# KiCad board VCU_CM5.kicad_pcb (continued)
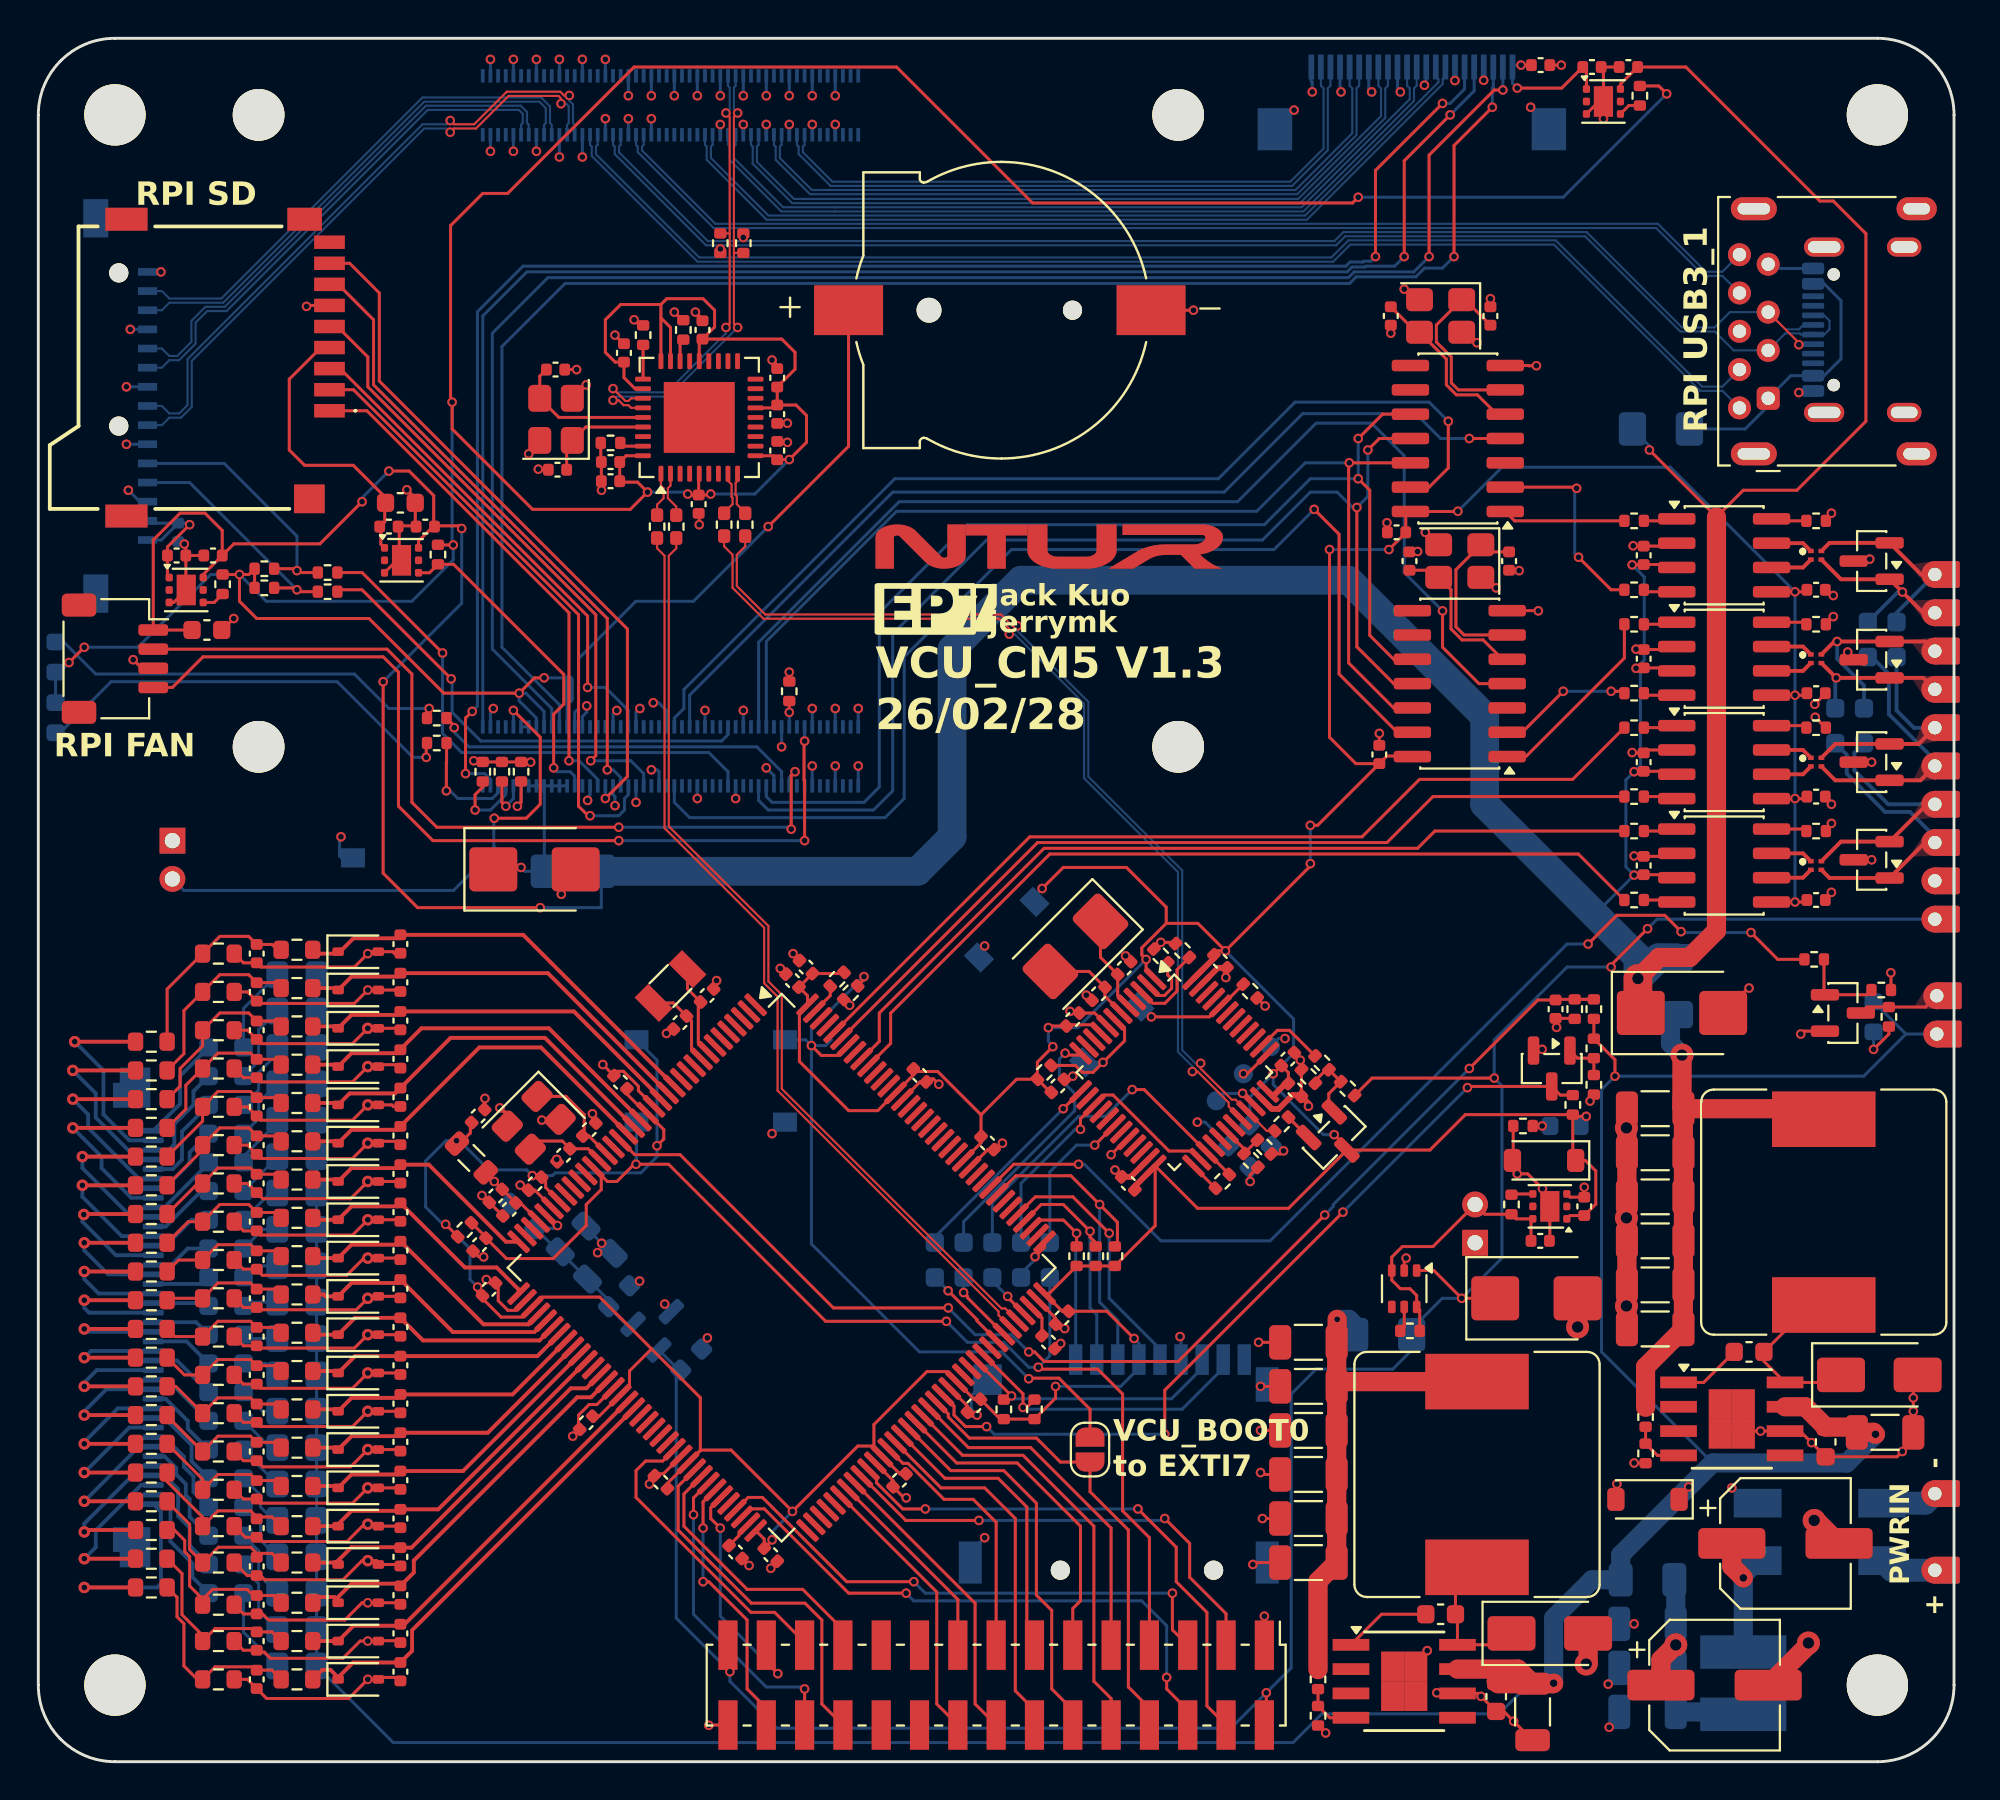
[diagram p0: board, top side]
## Routing (per net, layer and track width the routed paths; a pad name or vN(x,y) marks a point on that pad's centre or on a via; arc(x,y) is an arc through that point) (continued)
/computer/3V3_DISP: length 8
  Top w0.157: U8.1 6.74,61.93 C48.1 6.74,63.44 v1(7.9,64.6)
  Bottom w0.157: 7.82,64.68 v1(7.9,64.6) ; 7.82,64.68 C42.1 6.42,63.8 J6.1 ; 7.82,64.68 5.82,64.68 J6.2
/power/5V_proUPS: length 14.7
  Top w0.157: C7.1 77.92,28.26 U2.6 77.14,28.35 R11.1 75.51,28.59 J2.2 72.8,26.9 71.2,26.9 70.65,26.35 U1.3 70.65,25.15 71.1,24.7 71.6,24.7 71.95,24.35 U1.6 72.11,23.59 R8.1
/power/24V_SENSE: length 64.5
  Top w0.157: R10.1 R9.2 79.23,39.81 C6.1 78.28,39.78 v1(74.7,36.2) ; U12.21 31.13,31.7 33.5,31.7 41.5,23.7 v1(47.5,23.7) ; v1(67.15,28.55) 59.5,20.9 52.51,20.9 52.01,21.4 v1(51.7,21.4)
  Bottom w0.157: v1(51.7,21.4) 50.8,22.3 48.9,22.3 v1(47.5,23.7) ; v1(74.7,36.2) 67.6,29.1 67.6,29 v1(67.15,28.55)
/vcu mcu/VDDA_MCU: length 5.6
  Top w0.157: U12.33 25.1,29.25 25,29.25 C102.1 C103.1 23.67,30.44 23.67,30.75 23.64,30.78 FB1.2
  Bottom w0.157: v1(23.8,30.3) 24.65,29.45 R128.1
GND: length 472.8
  Top w0.157: U19.2 83.96,52.83 C143.2 83.22,52.68 v1(83.2,52.7) ; Y4.2 24.69,33.4 24.69,33.61 24.38,33.93 24.3,33.93 v1(24.09,34.14) ; R140.2 10.71,13.72 C109.2 11.62,13.5 16.4,13.5 v4(17.2,14.3) ; v1(26.1,67.5) 26.13,67.47 C122.2 ; C107.2 35.41,40.51 v1(35.41,40.79) ; Y3.4 75.55,61.85 v1(76.1,61.3) ; v4(17.2,18.3) 16.4,17.5 11.62,17.5 C78.2 10.71,17.72 R123.2 ; v4(17.2,18.3) 18.82,18.3 C79.2 ; v4(17.2,18.3) D29.2 ; C6.2 79.2,38.4 v1(79.25,38.35) ; C6.2 79.2,38.81 ; C6.2 80.17,38.82 R10.2 ; U12.94 48.5,18.57 C88.2 48.7,18.05 48.95,18.05 v1(49,18.1) ; C81.2 18.82,16.3 v4(17.2,16.3) ; U12.120 49.56,31.97 C91.2 49.94,32.02 49.97,32.02 50.25,32.3 v1(50.33,32.3) ; v1(17.2,42.2) 17.65,42.2 D12.2 ; v1(17.2,42.2) 16.5,41.5 11.62,41.5 C30.2 10.71,41.72 R28.2 ; v1(17.2,42.2) 17.3,42.3 18.5,42.3 18.58,42.22 C31.2 ; C44.2 C47.2 81.7,88.38 U7.7 ; v1(75.1,74.1) 74.55,74.65 Y2.4 ; 19.68,64.54 19.68,65.69 19.68,65.7 C49.2 19.68,65.76 19.63,65.8 19.63,66.03 v1(19.24,66.42) ; 19.68,64.54 C43.2 ; 19.68,64.54 18.82,64.54 C46.2 18.84,64.44 18.84,62.86 U6.7 18.72,62.74 U6.3 ; C34.2 53.64,35.72 53.92,35.72 v1(54,35.8) ; v1(17.2,40.3) 18.6,40.3 18.68,40.22 C57.2 ; v1(17.2,40.3) 16.5,39.6 11.52,39.6 C56.2 10.92,40.2 R101.2 ; v1(17.2,40.3) D18.2 ; U10.7 78.29,60.11 v1(78.3,60.1) ; v1(39.1,69.9) 38.58,69.9 C128.2 ; R18.2 10.81,11.72 C20.2 11.5,11.72 11.72,11.5 16.11,11.5 17.01,12.4 v4(17.2,12.4) 17.65,12.4 D7.2 18.88,12.3 18.9,12.32 C21.2 ; D1.2 82.35,14.45 v1(82.4,14.5) ; Y2.2 71.85,76.35 v1(71.3,76.9) ; C25.2 18.82,8.3 D9.2 v1(17.2,8.3) 16.9,8.3 16,7.4 12.02,7.4 11.6,7.82 11.5,7.82 C24.2 10.71,7.72 R22.2 ; 89.44,17.37 88.8,18 ; v1(23.24,26.36) 23.23,26.38 22.97,26.38 C86.2 ; U14.2 85.37,58.08 C120.2 83.42,58.08 v1(83.4,58.1) ; R113.2 10.71,27.72 C68.2 11.62,27.5 16.4,27.5 v4(17.2,28.3) ; C35.2 65.88,36.72 v1(65.88,36.64) 65.88,36.21 R44.2 65.93,36.14 C37.2 ; C48.2 C45.2 ; C48.2 7.7,61.41 7.72,61.39 U8.7 7.07,60.54 U8.3 ; C48.2 7.7,63.51 v1(7.62,63.59) ; v1(31.9,14.5) 31.9,14.86 31.98,14.94 C96.2 32.26,14.94 32.36,15.04 32.63,15.04 U12.61 ; v1(32.79,38.03) 32.93,38.03 C108.2 ; C104.2 23.31,34.07 v1(23.31,34.64) ; R115.2 10.71,25.72 C70.2 11.4,25.7 11.7,25.4 16.1,25.4 17,26.3 v4(17.2,26.3) ; R57.1 v1(39.2,56.9) ; D6.3 v1(95.7,47.1) ; R143.1 96.71,41.19 v1(96.7,41.2) ; v1(29.4,66.4) 29.39,66.41 C130.2 C127.2 29.36,67.9 R151.1 ; v1(4.95,57.55) 5.4,57.1 J4.3 ; v1(56.75,42.08) 57.02,41.81 C32.2 ; C114.2 v1(63.8,17.3) ; R109.2 10.92,32.2 C64.2 11.62,31.5 16.4,31.5 v4(17.2,32.3) ; v1(47.01,35.38) 46.73,35.66 46.51,35.66 C98.2 46.03,35.5 U12.130 ; C23.2 18.9,10.42 18.78,10.3 17.85,10.3 17.75,10.4 ; v1(80.7,30) C8.2 79.96,29.48 U2.3 ; R31.2 59.3,42.79 v1(58.59,42.79) 58.58,42.79 R30.2 ; R103.2 10.92,38.2 C58.2 11.62,37.5 16.4,37.5 v4(17.2,38.3) ; v4(17.2,34.3) D21.2 ; v4(17.2,34.3) 16.4,33.5 11.62,33.5 C62.2 10.92,34.2 R107.2 ; v4(17.2,34.3) 18.45,34.3 18.53,34.22 C63.2 ; U5.8 55.14,39.1 C39.2 54.25,39.18 v1(53.86,39.18) ; v1(94.45,57.95) 94.76,57.64 D35.3 ; v1(27.9,17) C95.2 28.24,17.36 28.2,17.4 28.2,18.1 28.75,18.65 29.16,18.65 30.01,19.5 U12.51 ; v1(34.3,75.7) 34.67,75.33 C129.2 ; v4(17.2,36.3) 17.3,36.4 18.72,36.4 C61.2 ; v4(17.2,36.3) 16.4,35.5 11.62,35.5 C60.2 10.71,35.72 R105.2 ; v4(17.2,36.3) D20.2 ; v1(31.1,75.3) 31.39,75.01 R150.1 ; BT1.N v1(60.3,75.8) ; C117.2 63.9,15 v1(63.8,15.1) ; v4(17.2,38.3) D19.2 ; v4(17.2,38.3) 18.82,38.3 C59.2 ; v4(17.2,26.3) 18.82,26.3 C71.2 ; v4(17.2,26.3) D25.2 ; C7.2 78.9,27.22 U2.7 78.9,29.54 v1(78.52,29.93) 77.74,30.7 v1(77.2,30.7) 77.2,31.15 D3.2 76.99,31.44 R12.1 ; v4(17.2,14.3) D31.2 ; v4(17.2,14.3) 18.82,14.3 C110.2 ; R119.2 10.71,21.72 C74.2 11.52,21.6 16.5,21.6 v4(17.2,22.3) ; J7.6 14.05,76.05 v1(14,76) ; U7.7 81.46,86.7 U7.3 ; U7.7 v1(81.7,85.8) ; v4(17.2,32.3) D22.2 ; v4(17.2,32.3) 17.3,32.4 18.72,32.4 C65.2 ; v4(17.2,28.3) 18.82,28.3 C69.2 ; v4(17.2,28.3) D24.2 ; R152.1 33.62,75.28 v1(33.2,75.7) ; U12.38 24.9,23.57 24.51,23.57 24.01,24.08 24.01,24.87 C94.2 23.56,25.01 v1(23.39,25.18) ; v1(93.6,50) 93.28,50.32 C144.2 ; v1(45.31,13.78) 45.19,13.78 C89.2 44.61,14.68 U12.83 ; R117.2 10.71,23.72 C72.2 11.52,23.6 16.6,23.6 v4(17.2,24.2) ; D36.3 95.5,62.7 v1(95.6,62.8) ; C50.2 v1(70.6,74.6) ; v1(10.2,59.7) 9.6,59.1 C41.2 ; D26.2 17.65,24.2 v4(17.2,24.2) ; v4(17.2,20.3) 18.82,20.3 C77.2 ; v4(17.2,20.3) D28.2 ; v4(17.2,20.3) 16.4,19.5 11.62,19.5 C76.2 10.71,19.72 R121.2 ; C75.2 18.82,22.3 v4(17.2,22.3) ; C54.1 70.42,64.68 v1(70.4,64.7) ; v1(42.35,39.5) 42.28,39.57 42.27,39.57 R130.1 ; v1(78.2,72.9) 77.8,72.9 77.79,72.91 U9.7 ; v1(95.7,52.2) D38.3 ; v1(22.73,52.27) 22.79,52.21 R60.2 R59.2 R58.2 25.69,52.21 v1(25.7,52.2) ; D8.2 17.75,10.4 ; 17.75,10.4 17.65,10.5 v4(17.2,10.5) 16.9,10.5 15.9,9.5 11.82,9.5 11.6,9.72 C22.2 10.91,9.72 R20.2 ; C29.2 18.9,4.32 18.82,4.4 17.85,4.4 D11.2 v1(17.2,4.3) 16.2,3.3 11.92,3.3 C28.2 10.92,4.3 R26.2 ; U12.107 53.1,23.17 C92.2 53.32,22.62 v1(53.58,22.62) ; U17.2 85.37,63.48 C136.2 83.27,63.48 v1(83.25,63.5) ; v1(72,63.2) 71.98,63.18 C51.2 ; C40.2 v1(79.5,88.6) ; v1(93.6,65.2) 93.31,64.91 R158.2 ; C124.2 30.55,74.05 v1(30.1,74.5) ; v1(39.4,42.2) 39.73,41.87 C101.2 ; v1(53.37,21.84) 53.34,21.84 C90.2 ; v1(77.3,62.2) 77.28,62.22 C53.2 ; v1(93.6,49) 93.31,48.71 R17.2 ; v1(27.3,45.3) 27.3,45.85 D17.2 ; C126.2 34.5,65.16 v1(34.5,64.6) ; D4.2 97.88,19.97 v1(97.88,19) v1(97.88,18.3) 97.88,16.78 v1(97.3,16.2) 97.02,15.93 C10.1 v1(92.56,16.66) 91.96,17.26 v1(89.9,17.26) 87.94,17.26 U3.9 ; v1(35,1.9) 35.01,1.91 J9.30 ; v1(63.4,10.3) 63.5,10.4 C119.2 ; U1.2 71.3,26.2 v1(71.4,26.3) ; v1(64,7.6) J9.1 ; R24.2 10.71,5.82 C26.2 11.5,5.72 11.8,5.72 12.12,5.4 15.9,5.4 16.8,6.3 v1(17.2,6.3) D10.2 17.77,6.32 18.8,6.32 C27.2 ; C106.2 27.06,31.34 v1(27.06,31.46) ; v1(93.7,60.9) 93.4,61.2 C137.2 ; v1(38.23,10.1) 38.23,10.13 C97.2 ; v4(17.2,24.2) 17.3,24.3 18.82,24.3 C73.2 ; Q1.2 78.44,37.14 v1(78.5,37.2) ; R149.2 93.31,59.41 v1(93.7,59.8) ; v1(39.1,68.9) 39.05,68.95 C125.2 ; U13.6 75.16,3.56 v1(75.31,3.41) C112.1 76.5,2.62 v1(77.01,2.11) C111.2 ; v1(28.93,33.84) 28.93,33.53 C105.2 ; C55.1 v1(70,53.7) ; Y3.2 73.05,63.55 v1(72.4,64.2) ; v1(54.7,40.03) 54.73,40.03 C33.2 ; U12.31 25.92,29.84 C100.2 25.32,30.11 v1(25.15,30.11) ; C99.2 v1(38.73,41.43) ; R125.2 10.71,15.72 C80.2 11.72,15.4 16.3,15.4 v4(17.2,16.3) ; v4(17.2,22.3) D27.2 ; v1(28.6,71.9) 27.9,71.2 Y6.2 ; v1(93.6,45.4) 93.28,45.08 C19.2 ; C118.2 v1(63.9,12.7) ; v1(67.2,1.5) 67.19,1.5 R146.2 ; U4.2 85.37,47.28 C18.2 83.32,47.28 v1(83.3,47.3) ; R14.2 83.31,15.59 v1(83.3,15.6) ; v1(92.73,55.22) 93.28,55.77 C121.2 ; U12.16 31.33,35.04 31.33,35.27 30.55,36.05 30.27,36.05 C93.2 v1(29.47,36.41) ; C115.2 v1(63.8,19.6) ; v1(92.76,54.54) 93.3,54 R162.2 ; C102.2 C103.2 23.18,29.57 v1(23.16,29.57) ; v1(92,38) 92.15,38.15 Q3.2 ; D5.2 89.25,40.4 v1(89.3,40.4) ; R111.2 10.92,30.2 C66.2 11.72,29.4 16.3,29.4 v4(17.2,30.3) ; v1(64.04,39.46) R32.2 ; v1(26.28,33.51) 27.2,33.51 Y4.4 ; v4(17.2,30.3) 18.82,30.3 C67.2 ; v4(17.2,30.3) D23.2 ; C116.2 v1(63.7,21.9) ; C123.2 v1(28.1,72.7) ; v4(17.2,16.3) D30.2 ; v1(25.6,68.3) 26.18,68.88 Y6.4 ; v1(81,34.5) 81,34.5 81.2,34.7 R6.2 ; v1(56,31.7) 56.83,32.53 U5.20 ; C131.2 38.57,72.93 v1(38.3,73.2) ; U13.9 71.9,5.2 v1(72.5,5.8) ; C87.2 v1(37.1,10.24) ; C52.2 v1(75.8,76.4)
  Top w0.3: v1(66.3,34.23) 66.3,34.37 C37.2 65.86,34.81 65.47,34.81 64.74,34.09 64.39,34.09 U5.35 ; v1(61.99,40.95) 61.99,41.4 C36.2 61.58,41.46 U5.47 ; v1(56.2,30.9) 56.56,30.54 C38.2 57.02,30.54 U5.23
  Top w1: C1.2 92.8,12.6 v2(92.7,12.6) ; v2(92.4,6.2) 92.4,6.1 C5.2 ; v2(80.8,5.1) 80.9,5.2 D33.2 ; v2(80.35,22.7) D34.2 ; C17.2 C16.2
  Bottom w0.157: Module1.197 v1(23.6,84.1) ; J5.10 72.45,87.64 v1(72.36,87.55) ; Module1.191 v1(24.8,84.1) ; v1(38.3,32.8) 38.9,33.4 SW2.1 ; v1(66.5,87.2) 66.5,87.7 66.45,87.75 J5.22 ; J5.MP 78.85,85.45 v1(77.9,86.4) ; SW1.2 15.82,47.2 15.72,47.3 15.72,48.22 v1(15.8,48.3) ; v1(31.4,55) 31.2,54.8 Module1.60 ; Module1.1 v1(42.8,52) ; J24.A1 90.52,77.98 J1.4 ; C85.2 29,27.56 29,27.48 v1(29.41,27.08) 29.48,27.08 C84.2 29.97,26.58 v1(29.2,26.58) ; Module1.71 28.8,50.5 28.67,50.37 v1(28.67,50.2) ; Module1.52 32.8,54.88 32.38,55.3 v1(32.1,55.3) ; Module1.107 v1(41.6,85.5) ; Module1.74 28.4,54.58 28.63,54.81 v1(28.63,55.14) ; C4.2 82.52,2.32 v1(82,1.8) ; v1(32,51.8) 32.3,51.8 32.4,51.7 Module1.53 ; v1(38,51.9) 38.4,51.5 Module1.23 ; Module1.126 v1(38,87) ; v1(49.4,11.7) 48.65,10.95 J10.G2 ; Module1.42 v1(34.8,54.9) ; J6.15 v1(6.4,77.8) ; Module1.22 v1(38.8,53) ; v1(30.2,54.9) 30,54.7 Module1.66 ; v1(32.7,23.9) 32.7,23.84 U11.3 ; Module1.186 v1(26,88.9) ; v1(30.1,49.93) 30.1,50.4 30,50.5 Module1.65 30,51.2 ; J5.19 67.95,87.25 v1(68,87.2) ; v1(63.4,10.3) 63.5,10.4 J10.G3 ; Module1.14 v1(40.4,55) ; v1(88.4,14.3) 89.2,13.5 FL1.4 ; TP17.1 64.74,37.76 v1(65.08,37.76) ; Module1.108 v1(41.6,87) ; J6.3 5.3,65.8 v1(4.7,66.4) ; v1(59.6,22.2) 59.65,22.15 J10.6 ; Module1.180 v1(27.2,88.9) ; v1(71.1,87.2) 70.95,87.35 J5.13 ; Module1.13 v1(40.4,52) ; Module1.98 23.6,54.85 v1(23.75,55) ; Module1.113 v1(40.4,85.5) ; D14.1 60.9,33.4 v1(60.5,33.4) ; Module1.8 v1(41.6,55) ; Module1.32 v1(36.8,54.9) ; v1(81.95,4.05) 82.52,4.62 C3.2 ; v1(91.9,71.5) 91.98,71.58 J24.A12 ; Module1.138 v1(35.6,87) ; v1(83.3,7.2) C2.2 ; Module1.59 v1(31.2,50.1) ; Module1.137 v1(35.6,85.5) ; J10.G1 48.7,19.1 48.7,18.4 v1(49,18.1) ; C82.2 34.62,21.69 34.92,21.99 v1(34.92,22.13) ; Module1.173 v1(28.4,83.8) ; v1(69.6,87.2) 69.45,87.35 J5.16 ; v1(31.39,25.1) 31.11,25.1 C83.2 ; v1(75.45,87.81) 75.45,87.81 J5.4 ; J6.9 v1(4.6,71.8) ; Module1.114 v1(40.4,87) ; Module1.192 v1(24.8,88.9) ; Module1.119 v1(39.2,85.5) ; v1(73.95,87.79) 73.95,87.8 J5.7 ; v1(49.4,42.6) 49.1,42.3 SW4.1 ; Module1.167 v1(29.6,85.8) ; Module1.179 v1(27.2,83.8) ; Module1.43 v1(34.4,50.3) ; Module1.185 v1(26,84.1) ; Module1.162 v1(30.8,87) ; J6.6 v1(4.6,68.8) ; Module1.33 v1(36.4,50.3) ; Module1.132 v1(36.8,87) ; J5.MP v1(65.55,86.25) ; Module1.131 v1(36.8,85.5) ; J6.12 v1(4.8,74.8) ; Module1.150 v1(33.2,87) ; Module1.198 v1(23.6,88.9) ; Module1.174 v1(28.4,88.9) ; Module1.2 v1(42.8,55) ; Module1.155 v1(32,85.8) ; Module1.161 v1(30.8,85.8) ; Module1.120 v1(39.2,87) ; Module1.168 v1(29.6,88.9) ; Module1.156 v1(32,87) ; Module1.144 v1(34.4,87) ; Module1.7 v1(41.6,52) ; Module1.125 v1(38,85.5)
  vias: v1(73,3.6) v2(82.9,33.1) v2(82.9,28.4) v2(82.9,23.8)
/computer/40P.GPIO13: length 58.6
  Top w0.157: v1(73.3,60.1) 73.3,58.2 75.2,56.3 U10.4
  Bottom w0.157: Module1.28 37.6,58.46 44.94,65.8 62.6,65.8 66.7,69.9 69.6,69.9 71.3,68.2 71.3,62.1 v1(73.3,60.1)
/computer/40P.GPIO17: length 53.5
  Top w0.157: v1(73.6,70) 73.6,67.56 72.6,66.56 U9.13
  Bottom w0.157: v1(73.6,70) 72.6,71 65.6,71 61.6,67 44.71,67 33.7,55.99 33.7,55 33.2,54.5 Module1.50
/computer/40P.GPIO18: length 59.8
  Top w0.157: U10.13 70.94,53.76 67.9,56.8 67.9,64.1 v1(66.6,65.4)
  Bottom w0.157: Module1.49 33.2,50.1 34,49.3 44.2,49.3 45.2,50.3 45.2,57.7 50.8,63.3 64.5,63.3 v1(66.6,65.4)
/computer/40P.GPIO19: length 56.8
  Top w0.157: U9.12 v1(68.43,67.83) 68.4,67.8 68.4,57.38 70.75,55.03 U10.12
  Bottom w0.157: 68.4,67.8 v1(68.43,67.83) 66.13,67.83 63.6,65.3 44.8,65.3 38,58.5 Module1.26
/computer/40P.GPIO20: length 60.9
  Top w0.157: v1(69.4,68.5) 70,69.1 U9.11 ; U10.11 70.75,56.3 68.83,58.22 v1(68.83,65.5)
  Bottom w0.157: v1(69.4,68.5) 69.4,66.07 v1(68.83,65.5) 68.6,65.5 67.8,66.3 66.4,66.3 63.9,63.8 49.5,63.8 44.6,58.9 44.6,50.7 43.6,49.7 38.1,49.7 37.6,50.2 Module1.27
/computer/40P.GPIO21: length 60.4
  Top w0.157: v1(68.9,69.1) 70.17,70.37 U9.10 ; v1(68.9,67) 69.5,66.4 69.5,58.82 70.75,57.57 U10.10
  Bottom w0.157: Module1.25 38,50.4 38.3,50.1 43.1,50.1 43.9,50.9 43.9,60 48.5,64.6 64,64.6 66.4,67 v1(68.9,67) v1(68.9,69.1)
/computer/40P.GPIO22: length 50.9
  Top w0.157: U9.4 v1(74.7,69.1)
  Bottom w0.157: Module1.46 34,55.7 44.6,66.3 61.9,66.3 66,70.4 71.9,70.4 73.2,69.1 v1(74.7,69.1)
/computer/40P.ID_SC: length 27.9
  Top w0.157: R51.2 16.9,62.1 v1(21.1,57.9)
  Bottom w0.157: Module1.35 36,51.7 35,52.7 22.1,52.7 21.1,53.7 v1(21.1,57.9)
/computer/40P.ID_SD: length 25.2
  Top w0.157: R50.2 15.71,61.2 16.9,61.2 v1(21.55,56.55)
  Bottom w0.157: Module1.36 36,53.63 35.67,53.3 23.1,53.3 21.6,54.8 21.6,56.5 v1(21.55,56.55)
/computer/compute module/FAN_PWM: length 45.1
  Top w0.157: v1(39.3,48.7) 39.3,51.5 v1(39.5,51.7) ; v1(30.3,48.8) 20.8,48.8 19.5,50.1 19.5,56.8 18.2,58.1 J4.2
  Bottom w0.157: v1(30.3,48.8) 39.2,48.8 v1(39.3,48.7) ; Module1.19 39.2,51.4 v1(39.5,51.7)
/computer/compute module/FAN_TACH: length 48.7
  Top w0.157: J4.4 7,56.1 8.6,57.7 18,57.7 18.8,56.9 18.8,49.9 20.6,48.1 v1(30.3,48.1) ; v1(40,53.3) 39.97,53.27 39.97,51.27 40,51.24 v1(40,48.1)
  Bottom w0.157: v1(40,48.1) v1(30.3,48.1) ; v1(40,53.3) Module1.16
/computer/compute module/MIPI1.C_N: length 27.4
  Bottom w0.111: J6.11 6.45,73.8 6.84,73.41 7.25,73.41 7.99,74.15 7.99,75.25 8.72,75.98 9.73,75.98 19.41,85.66 20.24,86.48 25.18,86.48 25.51,86.15 25.51,85.57 25.6,85.49 Module1.187
/computer/compute module/MIPI1.C_P: length 27
  Bottom w0.111: Module1.189 25.2,85.49 25.29,85.57 25.29,86.05 25.09,86.26 20.33,86.26 19.48,85.41 9.83,75.75 8.81,75.75 8.38,75.32 ; 8.38,75.32 8.21,75.15 8.21,74.05 7.35,73.19 6.84,73.19 6.45,72.8 J6.10
/computer/compute module/MIPI1.D0_N: length 33
  Top w0.111: v1(21.5,85.7) 21.69,85.51 22.75,85.51 24.45,87.21 27.25,87.21 27.44,87.02 v1(27.72,87.02)
  Bottom w0.111: v1(27.72,87.02) 27.72,86.74 27.91,86.55 27.91,85.57 28,85.49 Module1.175 ; v1(21.5,85.7) 21.31,85.51 20.05,85.51 7.79,73.25 7.79,70.85 7.35,70.41 6.84,70.41 6.45,70.8 J6.8
/computer/compute module/MIPI1.D0_P: length 32.6
  Top w0.111: v1(27.28,86.58) 27.28,86.86 27.15,86.99 24.55,86.99 22.85,85.29 21.69,85.29 v1(21.5,85.09)
  Bottom w0.111: v1(27.28,86.58) 27.56,86.58 27.69,86.45 27.69,85.57 27.6,85.49 Module1.177 ; v1(21.5,85.09) 21.31,85.29 20.15,85.29 8.01,73.15 8.01,70.75 7.45,70.19 6.84,70.19 6.45,69.8 J6.7
/computer/compute module/MIPI1.D1_N: length 27.2
  Bottom w0.111: Module1.181 26.8,85.49 26.71,85.57 26.71,86.45 26.25,86.91 20.05,86.91 9.55,76.41 6.84,76.41 6.45,76.8 J6.14
/computer/compute module/MIPI1.D1_P: length 26.9
  Bottom w0.111: J6.13 6.45,75.8 6.84,76.19 9.65,76.19 20.15,86.69 26.15,86.69 26.49,86.35 26.49,85.57 26.4,85.49 Module1.183
/computer/compute module/nACT_LED: length 19.6
  Top w0.157: R49.2 21.71,54.1 v1(21.71,54)
  Bottom w0.157: Module1.21 38.8,51.71 37.51,53 22.47,53 21.71,53.76 v1(21.71,54)
/computer/compute module/nPWR_LED: length 5.9
  Top w0.157: v1(21.3,50.7) 21.3,52.18 21.31,52.19 R48.2
  Bottom w0.157: Module1.95 24,50.6 23.7,50.3 21.9,50.3 21.5,50.7 v1(21.3,50.7)
/computer/compute module/PWR_BTN: length 29.4
  Top w0.157: v1(24.8,54.9) 26.2,53.5 26.2,50 25.47,49.27 v1(23.8,49.27)
  Bottom w0.157: v1(24.8,54.9) Module1.92 ; v1(23.8,49.27) 23.78,49.25 23.78,47.8 24.18,47.4 SW1.1 23.38,47.2 21.68,45.5 7.6,45.5 J3.2
/computer/compute module/RPI_5V_in: length 9.3
  Top w0.157: D17.1 23.85,46.7 v1(25.2,46.7)
  Bottom w0.157: Module1.83 26.41,50.95 F4.2 25.4,46.5 v1(25.2,46.7) ; Module1.87 Module1.77
/computer/MIPI0.C_N: length 39.2
  Bottom w0.111: J5.15 69.95,87.52 70.09,87.39 70.09,85.93 65.77,81.61 39.45,81.61 37.51,83.55 37.51,84.35 37.6,84.43 Module1.127
/computer/MIPI0.C_P: length 40
  Bottom w0.111: Module1.129 37.2,84.43 37.29,84.35 37.29,83.45 39.35,81.39 65.86,81.39 70.31,85.84 70.31,87.39 70.45,87.52 J5.14
/computer/MIPI0.D0_N: length 33.8
  Bottom w0.111: Module1.115 40,84.43 39.91,84.35 39.91,84.05 41.45,82.51 65.35,82.51 67.09,84.25 67.09,87.39 66.95,87.52 J5.21
/computer/MIPI0.D0_P: length 34.5
  Bottom w0.111: J5.20 67.45,87.52 67.31,87.39 67.31,84.15 65.45,82.29 41.35,82.29 39.69,83.95 39.69,84.35 39.6,84.43 Module1.117
/computer/MIPI0.D1_N: length 36.6
  Bottom w0.111: J5.18 68.45,87.52 68.59,87.39 68.59,85.05 65.62,82.08 40.38,82.08 38.71,83.75 38.71,84.35 38.8,84.43 Module1.121
/computer/MIPI0.D1_P: length 37.3
  Bottom w0.111: J5.17 68.95,87.52 68.81,87.39 68.81,84.95 65.71,81.86 40.29,81.86 38.49,83.65 38.49,84.35 38.4,84.43 Module1.123
/computer/MIPI0.D2_N: length 41.7
  Bottom w0.111: J5.12 71.45,87.52 71.59,87.39 71.59,86.82 65.94,81.18 41.6,81.18 38.88,81.18 36.31,83.75 36.31,84.35 36.4,84.43 Module1.133
/computer/MIPI0.D2_P: length 42.4
  Bottom w0.111: J5.11 71.95,87.52 71.81,87.39 71.81,86.73 66.04,80.96 41.6,80.96 38.79,80.96 36.09,83.65 36.09,84.35 36,84.43 Module1.135
/computer/MIPI0.D3_N: length 44.2
  Bottom w0.111: Module1.139 35.2,84.43 35.11,84.35 35.11,83.75 38.11,80.74 66.12,80.74 73.09,87.71 73.09,87.86 72.95,88 J5.9
/computer/MIPI0.D3_P: length 44.9
  Bottom w0.111: Module1.141 34.8,84.43 34.89,84.35 34.89,83.65 38.02,80.52 66.22,80.52 73.31,87.62 73.31,87.86 73.45,88 J5.8
/computer/MIPI0.GPIO0: length 86.3
  Top w0.157: v1(69.8,78.6) 69.8,83.1 v1(73.3,86.6) ; v1(22.3,51.6) 22.3,54.5 v1(22.65,54.85)
  Bottom w0.157: v1(69.8,78.6) 69.56,78.36 69.19,78.36 69.15,78.31 68.47,78.31 68.26,78.1 25.3,78.1 22.92,75.72 22.92,55.12 v1(22.65,54.85) ; J5.6 74.45,87.35 73.7,86.6 v1(73.3,86.6) ; Module1.97 23.6,51.3 23.3,51.6 v1(22.3,51.6)
/computer/MIPI0.GPIO1: length 82.3
  Top w0.157: v1(73.7,86) 71.3,83.6 v1(71.3,78.6)
  Bottom w0.157: J5.5 74.95,87.25 v1(73.7,86) ; v1(71.3,78.6) 70.8,78.1 69.3,78.1 69.26,78.06 68.58,78.06 68.32,77.8 25.5,77.8 23.2,75.5 Module1.100
/computer/MIPI0.SCL: length 83.5
  Top w0.157: v1(75.9,86.4) 73.9,84.4 v1(73.9,78.6)
  Bottom w0.157: v1(73.9,78.6) 73.3,78 72.36,78 71.91,77.54 68.79,77.54 68.45,77.2 27.5,77.2 24.2,73.9 24.2,58.2 27.2,55.2 Module1.80 ; J5.3 75.95,87.45 75.9,87.4 v1(75.9,86.4)
/computer/MIPI0.SDA: length 84.2
  Top w0.157: v1(76.45,87.3) 76,87.3 72.6,83.9 v1(72.6,78.6)
  Bottom w0.157: v1(76.45,87.3) J5.2 ; Module1.82 26.8,55 23.7,58.1 23.7,74.6 26.6,77.5 68.39,77.5 68.69,77.8 71.8,77.8 v1(72.6,78.6)
/computer/MIPI1.SCL: length 13.5
  Top w0.157: R51.1 13.6,62.1 v1(13.5,62.2) 13.4,62.3 R52.1
  Bottom w0.157: J6.5 9.7,67.8 13.5,64 v1(13.5,62.2)
/computer/MIPI1.SDA: length 12.5
  Top w0.157: R50.1 13.6,61.1 v1(13.5,61.2) 13.4,61.3 R53.1
  Bottom w0.157: v1(13.5,61.2) 7.9,66.8 J6.4
/computer/SD.CK: length 32.5
  Top w0.157: J7.5 15.61,74.95 17.2,73.36 17.2,71.8 29.1,59.9 29.1,52.54 v1(28.83,52.27)
  Bottom w0.157: Module1.57 31.6,51.6 30.93,52.27 v1(28.83,52.27)
/computer/SD.CMD: length 26
  Top w0.157: v1(28.67,56.1) 28.67,59.83 15.75,72.75 J7.3
  Bottom w0.157: Module1.62 30.8,54.9 29.6,56.1 v1(28.67,56.1)
/computer/SD.D0: length 32.9
  Top w0.157: J7.7 15.65,77.15 17.5,75.3 17.5,71.9 29.7,59.7 v1(29.7,51.8)
  Bottom w0.157: Module1.63 30.4,51.4 30,51.8 v1(29.7,51.8)
/computer/SD.D1: length 36.1
  Top w0.157: J7.8 16.25,78.25 17.8,76.7 17.8,72.1 30.75,59.15 30.75,51.45 v1(29.6,50.3)
  Bottom w0.157: Module1.67 v1(29.6,50.3)
/computer/SD.D2: length 26.8
  Top w0.157: v1(27.7,52.27) 27.7,60 17.15,70.55 J7.1
  Bottom w0.157: v1(27.7,52.27) 28.23,52.27 29.2,51.3 Module1.69
/computer/SD.D3: length 31.9
  Top w0.157: J7.2 16.45,71.65 28.2,59.9 28.2,49.9 28.7,49.4 v1(28.8,49.4)
  Bottom w0.157: v1(28.8,49.4) 30.3,49.4 30.6,49.7 30.6,50.3 30.8,50.5 Module1.61
/computer/SD_PWR_ON: length 17
  Top w0.157: v1(26.9,51.9) 26.9,54.7 27.43,55.23 27.43,56.78 21.68,62.53 R54.2 20.42,62.09 U6.4
  Bottom w0.157: v1(26.9,51.9) 27.1,51.7 27.77,51.7 28,51.47 Module1.75
/computer/USB3_0.D+: length 23.7
  Top w0.111: R133.2 36.32,78.79 36.31,78.8 ; v1(36.5,86.1) 36.31,85.91 36.31,78.8 ; 36.31,78.8 36.31,75.09 v1(36.5,74.9) ; U15.31 30.94,70.7 30.8,70.84 30.55,70.84 30.3,71.09 v1(30,71.09)
  Bottom w0.111: v1(30,71.09) 30.19,71.29 32.89,71.29 v1(36.5,74.9) ; v1(36.5,86.1) 36.31,86.29 36.31,87.43 36.4,87.51 Module1.134
/computer/USB3_0.D-: length 23.4
  Top w0.111: U15.30 30.94,71.2 30.8,71.06 30.64,71.06 v1(30,71.7) ; 36.09,79.8 36.08,79.81 R134.2 ; 36.09,79.8 36.09,85.91 v1(35.9,86.1) ; 36.09,79.8 36.09,75.09 v1(35.9,74.9)
  Bottom w0.111: v1(35.9,74.9) 35.9,74.6 32.8,71.51 30.19,71.51 v1(30,71.7) ; v1(35.9,86.1) 36.09,86.29 36.09,87.43 36,87.51 Module1.136
/DFP0.D+: length 2.4
  Top w0.111: U15.2 33,66.64 32.86,66.5 32.86,65.98 33.3,65.55 R132.2
/DFP0.D-: length 2.4
  Top w0.111: U15.1 32.5,66.64 32.64,66.5 32.64,65.98 32.3,65.65 R131.2
/DFP3.D+: length 2.3
  Top w0.111: U15.9 36.5,66.88 36.4,66.78 36.4,66.16 36.46,66.1 36.46,65.67 36.9,65.23 R46.1
/DFP3.D-: length 2.3
  Top w0.111: R47.2 35.8,65.23 36.24,65.67 36.24,66 36.2,66.04 36.2,66.06 36.19,66.07 36.19,66.71 36,66.89 U15.8
/RPI CAN0/CAN.RX: length 10.6
  Top w0.157: v1(80.4,62.9) 82.1,61.2 R156.1 ; v1(80.3,66.5) 80.24,66.56 U9.2
  Bottom w0.157: v1(80.3,66.5) 80.2,66.4 80.2,63.1 v1(80.4,62.9)
/RPI CAN0/CAN.TX: length 6.4
  Top w0.157: R155.1 77.06,64.8 U9.1
/RPI CAN0/CAN_H: length 10.1
  Top w0.2: TP1.1 98.29,62 D36.2 93.5,63.65 FL4.4
  Bottom w0.2: R1.2 97,60 TP1.1
/RPI CAN0/CAN_L: length 9.5
  Top w0.2: TP2.1 98.39,60 D36.1 94.1,61.75 FL4.3
  Bottom w0.2: R2.2 97.07,61.08 v1(97.31,61.08)
/RPI CAN1/CAN.RX: length 7
  Top w0.157: v1(82.1,55.9) 82.69,55.9 R148.1 ; v1(79.6,55.9) 77.46,53.76 U10.2
  Bottom w0.157: v1(79.6,55.9) v1(82.1,55.9)
/RPI CAN1/CAN.TX: length 10
  Top w0.157: U10.1 77.65,52.49 82.79,57.63 R147.1
/RPI CAN1/CAN_H: length 10.5
  Top w0.2: TP3.1 98.5,58.5 D35.2 v1(93.9,58.5) 93.75,58.5 FL3.4
  Bottom w0.2: R3.2 95.3,56.2 93.9,57.6 v1(93.9,58.5)
/RPI CAN1/CAN_L: length 8.1
  Top w0.2: TP4.1 98.4,56.6 D35.1 v1(93.85,56.6) FL3.3
  Bottom w0.2: v1(93.85,56.6) 93.8,56.55 R4.2
/stlink/BOOT0: length 6.3
  Top w0.157: v1(58.1,38.9) 61.14,38.9 U5.44 61.77,39.47 R32.1
  Bottom w0.157: SW5.1 58,38.9 v1(58.1,38.9)
/stlink/DEBUG.CLK: length 2.4
  Top w0.157: U12.109 52.53,26.87 v1(52.03,26.37)
  Bottom w0.157: R40.2 51.41,25.4 51.41,25.61 52.03,26.23 v1(52.03,26.37)
/stlink/DEBUG.DIO: length 2.6
  Top w0.157: U12.105 50.6,24.25 v1(50.6,24.3)
  Bottom w0.157: R41.2 49.8,25.1 v1(50.6,24.3)
/stlink/DEBUG.RST: length 65.2
  Top w0.157: R127.2 23.37,27.38 C86.1 24.44,26.28 26.88,26.28 28.6,28 28.6,29.09 29.39,29.88 29.39,30.62 U12.25 29.7,30.3 30.2,30.3 30.99,31.09 31.09,31.09 v1(31.2,31.2) 32.9,31.2 41.1,23 v1(47.4,23) ; J9.7 58,11.7 56.6,13.1 56.6,19.2 55.3,20.5 52.3,20.5 v1(52.2,20.6)
  Bottom w0.157: SW2.2 31.22,31.53 31.2,31.5 v1(31.2,31.2) ; R42.2 52.8,21.2 v1(52.2,20.6) 51.7,20.6 50.4,21.9 48.5,21.9 v1(47.4,23)
/stlink/LED_STLINK: length 2.5
  Top w0.157: R35.2 R36.1 62.94,32.01 U5.30
/stlink/OSC_IN: length 5
  Top w0.157: U5.5 56.34,40.02 C32.1 55.45,42 Y1.1
/stlink/OSC_OUT: length 4.9
  Top w0.157: Y1.2 54.85,41.27 C33.1 55.68,39.97 U5.6
/stlink/RENUM: length 3.7
  Top w0.157: U5.38 64.67,38.19 65.31,38.19 R37.1
/stlink/S_CLK: length 1.7
  Top w0.157: U5.37 63.12,35.93 v1(62.91,35.93)
/stlink/S_DIO: length 2.4
  Top w0.157: v1(62.86,34.91) 62.87,34.9 62.87,34.9 U5.34
  Bottom w0.157: v1(62.86,34.91) 62.86,34.9 61.88,34.9 TP15.1
/stlink/t_CLK: length 16.1
  Top w0.157: U5.26 60.23,31.89 59.03,31.89 56.1,34.82 55.64,34.82 U5.15 54.4,33.57 v1(54.4,33.03)
  Bottom w0.157: R40.1 51.31,27.11 51.3,27.12 51.3,30.2 54.13,33.03 v1(54.4,33.03)
/stlink/t_DIO: length 18.7
  Top w0.157: v1(57.1,35.1) 57.73,35.1 U5.27 61.02,31.82 R33.1
  Bottom w0.157: v1(57.1,35.1) 55.7,33.7 54.3,33.7 49.8,29.2 R41.1
/stlink/t_RST: length 8.1
  Top w0.157: v1(55.15,32.2) U5.18
  Bottom w0.157: v1(55.15,32.2) 54.2,32.2 52.8,30.8 R42.1
/stlink/USART2_RX: length 11
  Top w0.157: U5.13 53.86,34.44 53.84,34.44 v1(53.5,34.1)
  Bottom w0.157: R39.1 46.8,27.4 v1(53.5,34.1)
/stlink/USART2_TX: length 13.6
  Top w0.157: v1(53.6,37) 53.7,36.9 54.31,36.9 U5.12
  Bottom w0.157: v1(53.6,37) 53.3,36.7 53.3,35.7 54.1,34.9 54.1,34 48.3,28.2 R38.1
/stlink/USB_DN: length 49.1
  Top w0.111: v1(60.24,36.04) 60.52,36.04 62.14,34.42 62.14,34.22 U5.32 ; v1(50.68,58.88) 50.68,59.16 50.15,59.69 37.85,59.69 36.24,61.3 36.24,63.03 35.8,63.47 R47.1
  Bottom w0.111: v1(60.24,36.04) 60.24,36.32 59.49,37.07 59.49,46.45 54.59,51.35 54.59,55.25 50.96,58.88 v1(50.68,58.88)
/stlink/USB_DP: length 50.8
  Top w0.111: R45.2 64.13,32.94 U5.33 62.49,34.57 62.3,34.57 60.67,36.2 v1(60.67,36.47) ; R46.2 36.9,63.47 36.46,63.03 36.46,61.4 37.95,59.91 50.25,59.91 50.84,59.32 v1(51.12,59.32)
  Bottom w0.111: v1(60.67,36.47) 60.4,36.47 59.71,37.16 59.71,46.55 54.81,51.45 54.81,55.35 51.12,59.04 v1(51.12,59.32)
